# Altium PCB pay-ssm-v4-2.PcbDoc (part 1 of 4) (continued)
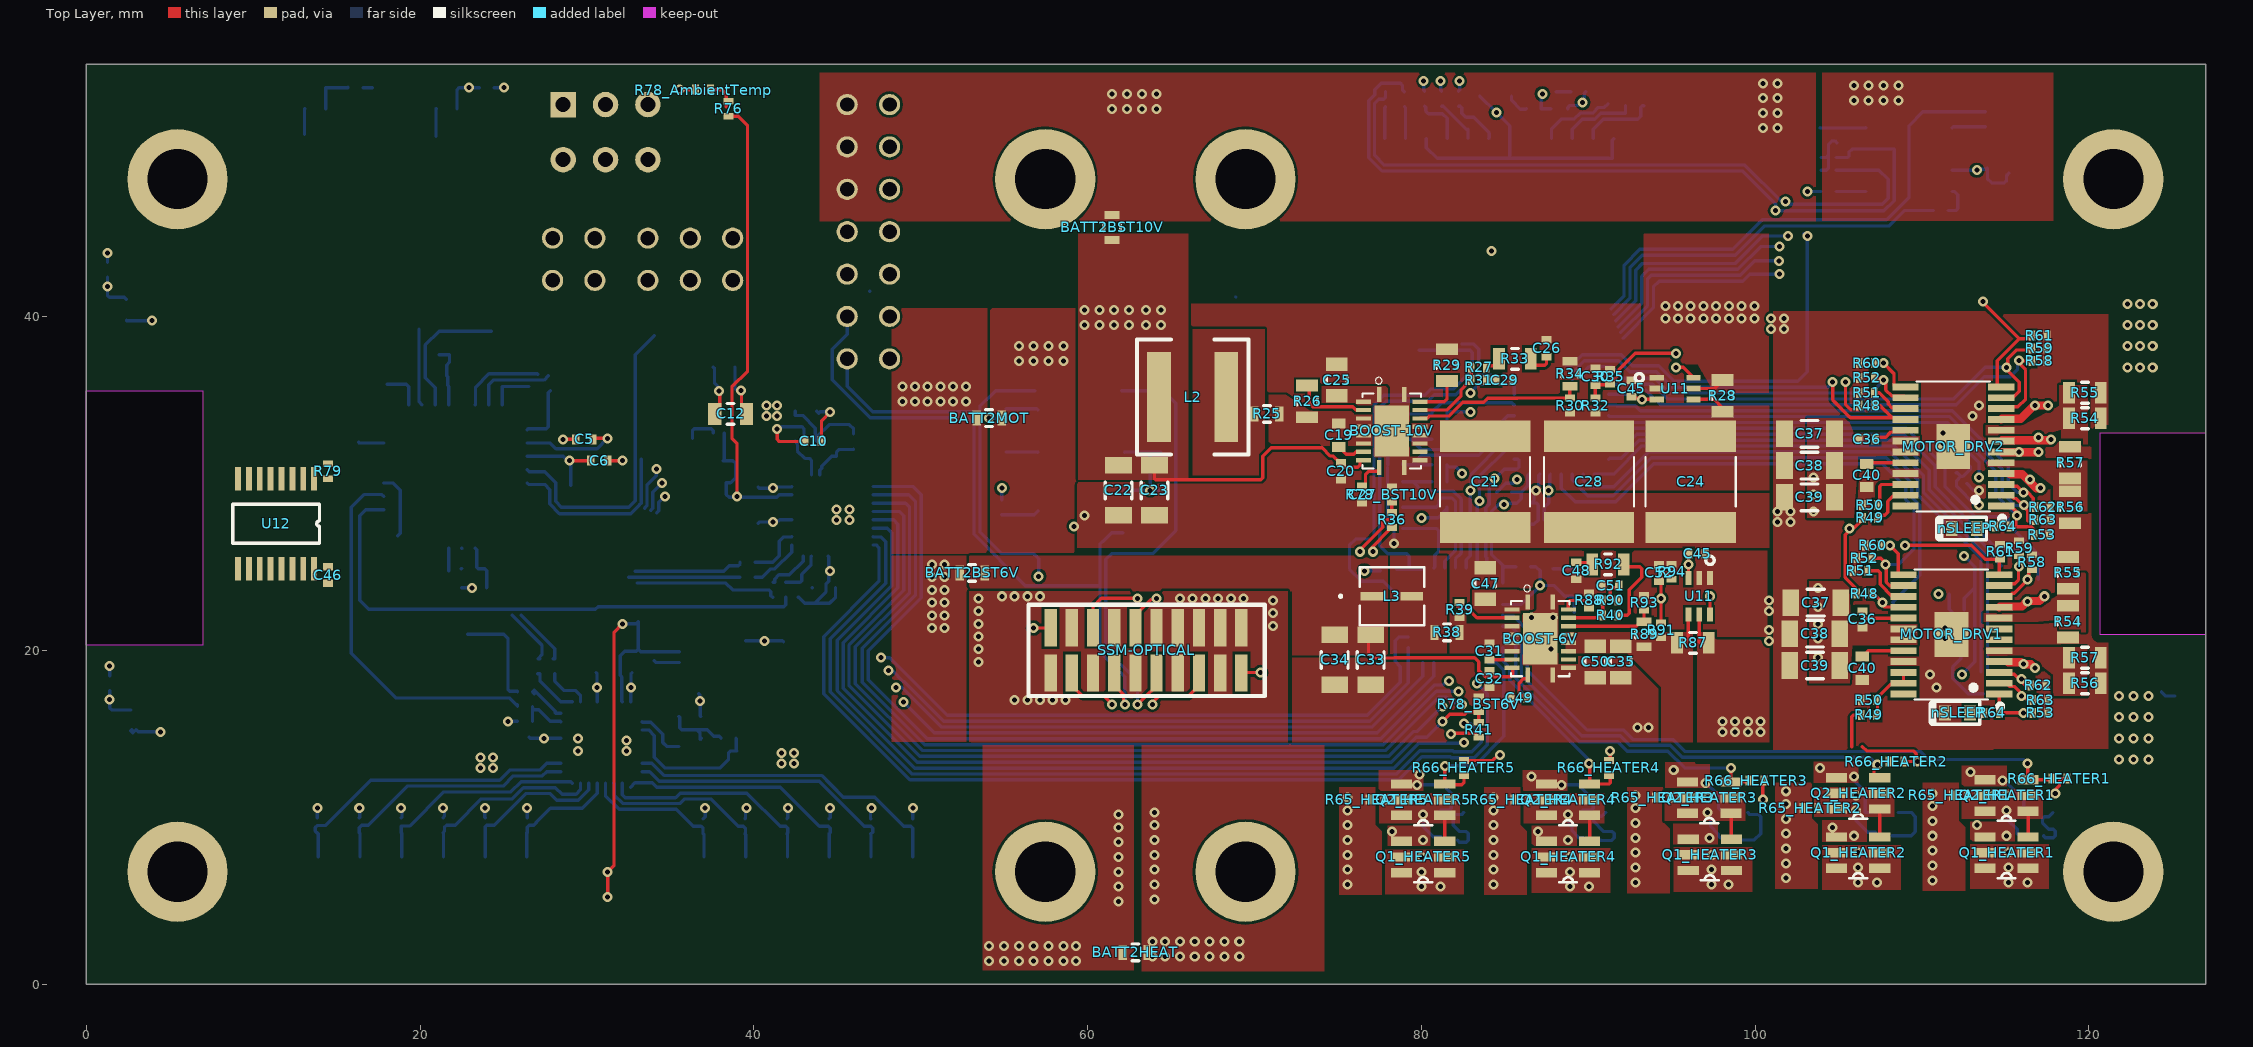
[diagram p0: Top Layer view]
## Design rules (kind name [scope] priority, off if disabled: settings)
AssemblyTestPointUsage [All] p1 off:
AssemblyTestpoint [All] p1 off: testpointundercomponent=TRUE minsize=1.016 maxsize=2.54 preferedsize=1.524 minholesize=0 maxholesize=1.016 preferedholesize=0.813 testpointgrid=0.025 usegrid=TRUE gridtolerance=0 allowsidetop=TRUE allowsidebottom=TRUE
BoardOutlineClearance [All] p1: gap=0.5 ignorepadtopadclearanceinfootprint=FALSE
Clearance Component_Clearance [IsComponent vs IsComponent] p1: gap=0.254 ignorepadtopadclearanceinfootprint=FALSE
Clearance [All] p2: gap=0.152 ignorepadtopadclearanceinfootprint=TRUE
FabricationTestPointUsage [All] p1 off: valid=0 allowmultiple=FALSE
FabricationTestpoint [All] p1 off: side=3 testpointundercomponent=FALSE minsize=1.016 maxsize=2.54 preferedsize=1.524 minholesize=0 maxholesize=1.016 preferedholesize=0.813 testpointgrid=0.025 allowsidetop=TRUE allowsidebottom=TRUE usegrid=TRUE gridtolerance=0
HoleSize [All] p1: absolutevalues=TRUE maxlimit=6.3 minlimit=0.3 maxpercent=80.000 minpercent=20.000
HoleToHoleClearance [All] p1: gap=0.2 allowstackedmicrovias=FALSE
MinimumAnnularRing [All] p1: minimumring=0.15
MinimumSolderMaskSliver [All] p1: minsoldermaskwidth=0.1
PlaneClearance [All] p1: clearance=0.381
PlaneConnect [All] p1: planeconnectstyle=Direct reliefexpansion=0.508 reliefentries=4 reliefconductorwidth=0.254 reliefairgap=0.254
PolygonConnect [All] p1: connectstyle=Direct reliefconductorwidth=0.254 reliefentries=4 polygonreliefangle="90 Angle" airgapwidth=0.254
RoutingVias [All] p1: holewidth=0.3 width=0.6 viastyle="Through Hole" minholewidth=0.2 minwidth=0.6 maxholewidth=6.3 maxwidth=10 useviatemplates=TRUE viatemplateguid#1={011D216B-D316-413C-A39D-AE21322AA2E3} viatemplatename#1=v60h30m0mx0(Tol8-8)
SilkToSilkClearance [All] p1: silktosilkclearance=0
SilkToSolderMaskClearance [IsPad] p1: minsilkscreentomaskgap=0.2 clearancetoexposedcopper=TRUE
SolderMaskExpansion [All] p1: expansion=0.051
UnConnectedPin [All] p1:
UnRoutedNet [All] p1: checkbadconnections=TRUE
Width [All] p1: maxlimit=25.4 minlimit=0.152 preferedwidth=0.2
18 further rules are at their usual default settings.

## Classes and differential pairs
component class HEATER5: D8_HEATER5 Q1_HEATER5 Q2_HEATER5 R65_HEATER5 R66_HEATER5 R96_HEATER5
component class HEATER4: D8_HEATER4 Q1_HEATER4 Q2_HEATER4 R65_HEATER4 R66_HEATER4 R96_HEATER4
component class HEATER1: D8_HEATER1 Q1_HEATER1 Q2_HEATER1 R65_HEATER1 R66_HEATER1 R96_HEATER1
component class HEATER3: D8_HEATER3 Q1_HEATER3 Q2_HEATER3 R65_HEATER3 R66_HEATER3 R96_HEATER3
component class HEATER2: D8_HEATER2 Q1_HEATER2 Q2_HEATER2 R65_HEATER2 R66_HEATER2 R96_HEATER2
component class MOTOR_DRV1: C36 C37 C38 C39 C40 MOTOR_DRV1 nSLEEP R48 R49 R50 R51 R52 R53 R54 R55 R56 R57 R58 R59 R60 R61 R62 R63 R64
component class Current_Monitor2: C45_Current_Monitor2 U11_Current_Monitor2
component class Current_Monitor1: C45 U11
component class Boost2_Temperature: R78_BST6V
component class MOTOR_DRV2: MOTOR_DRV2
component class Port_Expander2: C41_Port_Expander2
component class Port_Expander1: C41 C41_Port_Expander1 PEX1 R67 R68 R69 R70 R71 R72 R73 R74
component class micro-circuit-: C46 D2 D3 D4 D5 D6 D7 R79 R80 R81 R82 R83 R84 R85 U12
component class ADC1: C10 C11 C12 C13 C14 R19 R20 R21 R22 R23 U3 U4
channel class "Port Expander Breakout": PEX1 PEX2
channel class "Heater Control": HEATER1 HEATER2 HEATER3 HEATER4 HEATER5
channel class DRV8834: MOTOR_DRV1 MOTOR_DRV2
channel class curr-mon-INA214-Q1: Current_Monitor_Buck
channel class "ADC Breakout": ADC2 ADC13
channel class adc-circuit-ADS7952: ADC11 ADC12
channel class adc-ADS7952: ADS79521 ADS79522
net class MF2_THM[1..6]: MF2_THM1 MF2_THM2 MF2_THM3 MF2_THM4 MF2_THM5 MF2_THM6
net class MF1_THM[1..6]: MF1_THM1 MF1_THM2 MF1_THM3 MF1_THM4 MF1_THM5 MF1_THM6
component class TOP: BATT2HEAT BATT2MOT C53 C54 C55 J14 L4 R1 R2 R4 R5 R6 R8 R9 R10 R95 SSM-OPTICAL
component class THERMISTORS: THERMISTOR1-6 THERMISTORS7-12
component class MOTORS: MOTOR1 R42 R43
component class MOTOR_TEMP12: R78_MOT_DRV1
component class MOTOR_TEMP11: R78_MOT_DRV2
component class MF_THM2_17: R78_MF_THM2_17
component class MF_THM2_16: R78_MF_THM2_16
component class MF_THM2_15: R78_MF_THM2_15
component class MF_THM2_14: R78_MF_THM2_14
component class MF_THM2_13: R78_MF_THM2_13
component class MF_THM2_12: R78_MF_THM2_12
component class MF_THM1_11: R78_MF_THM1_11
component class MF_THM1_10: R78_MF_THM1_10
component class MF_THM1_9: R78_MF_THM1_9
component class MF_THM1_8: R78_MF_THM1_8
component class MF_THM1_7: R78_MF_THM1_7
component class MF_THM1_6: R78_MF_THM1_6
component class HEATER_PWR: BATT2BST6V BOOST-6V C31 C32 C33 C34 C35 C47 C48 C49 C50 C51 C52 L3 R38 R39 R40 R41 R87 R88 R89 R90 R91 R92 R93 R94
component class General_Temp_Sense: R78_AmbientTemp
component class ADS79522: ADC2
component class ADS79521: ADC1 C15 C16 C17 C18 R24
component class CAN_Transciever: C7 C8 C9 CAN R12 R13 R14 R15 R16 R17 R18
channel class thermistor-input-10k: ADC1_Temp_Sense ADC2_Temp_Sense Boost_Temp_Sense CIN6 CIN7 CIN8 CIN9 CIN10 CIN11 CIN12 CIN13 CIN14 CIN15 CIN16 CIN17 Motor_Driver_Temp_Sense1 Motor_Driver_Temp_Sense2
channel class pex-MCP23S17: Port_Expander_Motor Port_Expander_Thermal
component class MOTOR_FB: BOT_SWT1 BOT_SWT2 R44 R45 R46 R47 TOP_SWT1 TOP_SWT2
component class MCU_64M1: PROG "PROG <-> RUN" RST_SWT UART
component class ENV_SENSORS: C42 C43 C44 HUMIDITY PRESSURE R75 R76 R77 U15
component class Boost_Temp_Sense: R47_Boost_Temp_Sense R78_BST10V
component class BOOST: BATT2BST10V BOOST-10V C19 C20 C21 C22 C23 C24 C25 C26 C27 C28 C29 C30 L2 R25 R26 R27 R28 R29 R30 R31 R32 R33 R34 R35 R36
component class ATMEGA64M1: C1 C2 C3 C4 C5 C6 L1 R11 Y1

## Components (designator, comment, footprint, x,y, rotation, side; value= is the part's Value field where it differs from the comment)
ADC1 "ADS7952" QFN50P500X500X100-33 44.704,28.067 r270 bottom (schematic designator U5)
ADC2 "ADS7952" QFN50P500X500X100-33 30.861,14.478 r180 bottom (schematic designator U5)
BATT2BST6V "0603" RES0603R 53.086,24.638 r180 top value="0 26A" (schematic designator R37)
BATT2BST10V "0603" RES0603R 61.468,45.339 r90 top value="0 26A" (schematic designator R86)
BATT2HEAT "0603" RES0603R 62.865,1.905 r0 top value="0 26A" (schematic designator R7)
BATT2MOT "0603" RES0603R 54.102,33.909 r0 top value="0 26A" (schematic designator R3)
BOOST-6V "TPS61088" QFN50P450X350X100-21N 87.122,20.701 r0 top (schematic designator BT2)
BOOST-10V "TPS61088" QFN50P450X350X100-21N 78.232,33.147 r0 top (schematic designator BT1)
BOT_SWT1 "DF13A-2P-1.25H(21)" DF13A-2P-1.25H(21) 13.726,52.451 r0 bottom (schematic designator J9)
BOT_SWT2 "DF13A-2P-1.25H(21)" DF13A-2P-1.25H(21) 2.413,40.396 r90 bottom (schematic designator J10)
C1 "0805" CAP0805R 22.098,37.719 r180 bottom value=10uF
C2 "0402" CAP0402R 22.098,36.449 r180 bottom value=0.1uF
C3 "0402" CAP0402R 22.979,24.892 r0 bottom value=0.1uF
C4 "0402" CAP0402R 21.717,24.265 r90 bottom value=0.1uF
C5 "0402" CAP0402R 29.837,32.639 r0 top value=22pF
C6 "0402" CAP0402R 30.734,31.369 r180 top value=22pF
C7 "0805" CAP0805R 115.189,49.53 r270 bottom value=10uF
C8 "0402" CAP0402R 113.919,49.403 r270 bottom value=0.1uF
C9 "0402" CAP0402R 104.394,50.419 r0 bottom value=47pF
C10 "0402" CAP0402R 36.195,17.653 r0 bottom value=0.1uF
C10 "0402" CAP0402R 43.556,32.543 r0 top value=0.1uF
C11 "0402" CAP0402R 38.481,13.97 r0 bottom value=220pF
C11 "0402" CAP0402R 45.085,32.512 r270 bottom value=220pF
C12 "0805" CAP0805R 41.783,19.558 r90 bottom value=10uF
C12 "0805" CAP0805R 38.608,34.163 r0 top value=10uF
C13 "0603" CAP0603R 34.036,18.669 r90 bottom value=1uF
C13 "0603" CAP0603R 36.322,33.401 r270 bottom value=1uF
C14 "0805" CAP0805R 32.131,21.717 r0 bottom value="10uF 1-1.5 ESR"
C14 "0805" CAP0805R 39.116,31.369 r180 bottom value="10uF 1-1.5 ESR"
C15 "0603" CAP0603R 32.004,18.669 r0 bottom value=1uF
C15 "0603" CAP0603R 40.259,29.083 r90 bottom value=1uF
C16 "0603" CAP0603R 26.543,14.097 r90 bottom value=1uF
C16 "0603" CAP0603R 44.196,23.749 r0 bottom value=1uF
C17 "0603" CAP0603R 29.845,18.669 r0 bottom value=1uF
C17 "0603" CAP0603R 40.259,26.924 r90 bottom value=1uF
C18 "0805" CAP0805R 32.131,20.066 r0 bottom value=10uF
C18 "0805" CAP0805R 38.354,29.083 r90 bottom value=10uF
C19 "0603" CAP0603R 75.057,32.893 r90 top value="0.1uF 50V X7R"
C20 "0402" CAP0402R 75.184,30.734 r90 top value="0.1uF 10V X7R"
C21 "2220" CAP2220 83.82,30.099 r90 top value="22uF 25V X7R"
C22 "1206" CAP1206R 61.849,29.591 r90 top value="10uF 50V X5R"
C23 "1206" CAP1206R 64.008,29.591 r90 top value="10uF 50V X5R"
C24 "2220" CAP2220 96.139,30.099 r90 top value="22uF 25V X7R"
C25 "0805" CAP0805R 74.93,36.195 r270 top value="2.2uF 16V X7R"
C26 "0402" CAP0402R 87.503,38.1 r270 top value="820pF 50V X7R"
C27 "0402" CAP0402R 76.454,29.337 r90 top value="8.2nF 16V X7R"
C28 "2220" CAP2220 90.043,30.099 r90 top value="22uF 25V X7R"
C29 "0402" CAP0402R 84.963,36.195 r180 top value="39pF 25V C0G"
C30 "0402" CAP0402R 90.424,36.391 r270 top value="0.1uF 10V X7R"
C31 "0402" CAP0402R 84.074,19.939 r90 top value="0.1uF 16V X7R"
C32 "0402" CAP0402R 84.074,18.288 r90 top value="0.1uF 10V X7R"
C33 "1206" CAP1206R 76.962,19.431 r90 top value="33uF 25V X5R"
C34 "1206" CAP1206R 74.803,19.431 r90 top value="33uF 25V X5R"
C35 "0805" CAP0805R 91.948,19.304 r90 top value="15uF 35V X5R"
C36 "0402" CAP0402R 106.695,32.639 r180 top value="10000pF 25V"
C36 "0402" CAP0402R 106.426,21.852 r270 top value="10000pF 25V"
C37 "1206" CAP1206R 103.255,32.976 r0 top value="10uF 25V"
C37 "1206" CAP1206R 103.632,22.86 r0 top value="10uF 25V"
C38 "1206" CAP1206R 103.255,31.071 r0 top value="10uF 25V"
C38 "1206" CAP1206R 103.578,20.996 r0 top value="10uF 25V"
C39 "1206" CAP1206R 103.255,29.166 r0 top value="10uF 25V"
C39 "1206" CAP1206R 103.578,19.091 r0 top value="10uF 25V"
C40 "0603" CAP0603R 106.695,30.48 r270 top value="2.2uF 6.3V X7R"
C40 "0603" CAP0603R 106.426,18.923 r270 top value="2.2uF 6.3V X7R"
C41 "0402" CAP0402R 87.884,24.384 r270 bottom value=0.1uF
C41 "0402" CAP0402R 87.122,28.829 r0 bottom value=0.1uF
C41_Port_Expander1 "0805" CAP0805R 87.122,27.559 r0 bottom value=10uF (schematic designator C41)
C41_Port_Expander2 "0805" CAP0805R 89.154,23.241 r270 bottom value=10uF (schematic designator C41)
C42 "0402" CAP0402R 64.516,29.083 r270 bottom value="0.1uF 6.3V X7R"
C43 "0402" CAP0402R 64.389,32.385 r270 bottom value="0.22uF 6.3V X7R"
C44 "0402" CAP0402R 55.118,32.385 r90 bottom value="0.1uF 6.3V X7R"
C45 "0402" CAP0402R 96.52,25.781 r180 top value=0.1uF
C45 "0402" CAP0402R 92.583,35.687 r270 top value=0.1uF
C46 "0402" CAP0402R 14.478,24.511 r90 top value=0.1uF
C47 "0805" CAP0805R 83.82,24.003 r270 top value="2.2uF 16V X7R"
C48 "0402" CAP0402R 89.281,24.765 r90 top value="560pF 50V X7R"
C49 "0402" CAP0402R 85.852,17.145 r0 top value="8.2nF 16V X7R"
C50 "0805" CAP0805R 90.424,19.304 r90 top value="15uF 35V X5R"
C51 "0402" CAP0402R 91.313,23.876 r0 top value="27pF 50V C0G"
C52 "0402" CAP0402R 94.234,24.638 r270 top value="0.1uF 10V X7R"
C53 "0402" CAP0402R 88.265,52.451 r180 bottom value=10000pF
C54 "0603" CAP0603R 87.376,53.467 r180 bottom value=1uF
C55 "0805" CAP0805R 84.455,53.213 r0 bottom value=10uF
CAN "SN65HVD233D" SOIC127P500X600-8N 109.22,49.403 r270 bottom (schematic designator U2)
D2 "LED0603" LED0603 10.934,31.242 r180 bottom
D3 "LED0603" LED0603 10.934,29.631 r180 bottom
D4 "LED0603" LED0603 10.934,28.021 r180 bottom
D5 "LED0603" LED0603 10.934,23.19 r180 bottom
D6 "LED0603" LED0603 10.934,24.801 r180 bottom
D7 "LED0603" LED0603 10.934,26.412 r180 bottom
D8_HEATER1 "LED0603" LED0603 117.094,10.287 r180 bottom (schematic designator D8)
D8_HEATER2 "LED0603" LED0603 107.823,10.287 r180 bottom (schematic designator D8)
D8_HEATER3 "LED0603" LED0603 98.806,10.287 r180 bottom (schematic designator D8)
D8_HEATER4 "LED0603" LED0603 90.297,10.287 r180 bottom (schematic designator D8)
D8_HEATER5 "LED0603" LED0603 81.788,10.287 r180 bottom (schematic designator D8)
EPS-PAY "DF13A-15P-1.25H(21)" DF13A-15P-1.25H(21) 86.547,50.673 r0 bottom (schematic designator J1)
HEATER1 "DF13A-2P-1.25H(21)" DF13A-2P-1.25H(21) 112.722,6.983 r0 bottom (schematic designator J11)
HEATER2 "DF13A-2P-1.25H(21)" DF13A-2P-1.25H(21) 103.959,6.983 r0 bottom (schematic designator J11)
HEATER3 "DF13A-2P-1.25H(21)" DF13A-2P-1.25H(21) 95.196,6.983 r0 bottom (schematic designator J11)
HEATER4 "DF13A-2P-1.25H(21)" DF13A-2P-1.25H(21) 86.433,6.983 r0 bottom (schematic designator J11)
HEATER5 "DF13A-2P-1.25H(21)" DF13A-2P-1.25H(21) 77.67,6.983 r0 bottom (schematic designator J11)
HUMIDITY "HIH7131" SOIC127P500X600-8N 59.436,33.655 r90 bottom (schematic designator U10)
J14 "SLW-107-01-G-D" SLW-107-01-X-D 46.863,45.085 r90 bottom
L1 "0603" RES0603R 23.233,23.749 r0 bottom value=10uH
L2 "XAL6020-112MEB" XAL6020-112MEB 66.294,35.179 r0 top value="1.1uH 20% 12A"
L3 "IHLP-1212BZ" IHLP-1212BZ 78.232,23.241 r0 top
L4 "2A 0402" RES0402R 86.741,52.451 r0 bottom value="120 Ohm @ 100MHz"
MCU "ATMEGA64M1" QFP80P900X900X120-32 22.116,30.423 r270 bottom (schematic designator U1)
MOTOR1 "DF13A-4P-1.25H(51)" DF13A-4P-1.25H(51) 123.19,40.132 r270 bottom (schematic designator J6)
MOTOR2 "DF13A-4P-1.25H(51)" DF13A-4P-1.25H(51) 123.19,16.637 r270 bottom (schematic designator J5)
MOTOR_DRV1 "DRV8834" SOP65P640X120-25N 111.76,20.955 r180 top (schematic designator U7)
MOTOR_DRV2 "DRV8834" SOP65P640X120-25N 111.876,32.214 r180 top (schematic designator U7)
nSLEEP "LED0603" LED0603 112.537,27.305 r180 top (schematic designator D1)
nSLEEP "LED0603" LED0603 112.129,16.256 r180 top (schematic designator D1)
PEX1 "MCP23S17-QFN" QFN65P600X600X100-29#1 88.392,33.401 r90 bottom (schematic designator U8)
PEX2 "MCP23S17-QFN" QFN65P600X600X100-29#2 82.042,22.098 r180 bottom (schematic designator U8)
PRESSURE "MS5803-05BA" MS5803_125P640x620-8N 59.444,27.701 r0 bottom (schematic designator U9)
PROG "SLW-103-01-G-D" SLW-103-01-X-D 36.195,43.434 r0 bottom (schematic designator J3)
"PROG <-> RUN" "DPDT" "JS202011AQN - Slide Switch" 31.115,51.054 r270 bottom (schematic designator S1)
Q1_HEATER1 "N-MOS" SOT95P280X145-6N 115.062,7.874 r180 top (schematic designator Q1)
Q1_HEATER2 "N-MOS" SOT95P280X145-6N 106.172,7.874 r180 top (schematic designator Q1)
Q1_HEATER3 "N-MOS" SOT95P280X145-6N 97.282,7.747 r180 top (schematic designator Q1)
Q1_HEATER4 "N-MOS" SOT95P280X145-6N 88.788,7.62 r180 top (schematic designator Q1)
Q1_HEATER5 "N-MOS" SOT95P280X145-6N 80.106,7.62 r180 top (schematic designator Q1)
Q2_HEATER1 "N-MOS" SOT95P280X145-6N 115.062,11.303 r180 top (schematic designator Q2)
Q2_HEATER2 "N-MOS" SOT95P280X145-6N 106.172,11.43 r180 top (schematic designator Q2)
Q2_HEATER3 "N-MOS" SOT95P280X145-6N 97.251,11.176 r180 top (schematic designator Q2)
Q2_HEATER4 "N-MOS" SOT95P280X145-6N 88.788,11.049 r180 top (schematic designator Q2)
Q2_HEATER5 "N-MOS" SOT95P280X145-6N 80.106,11.049 r180 top (schematic designator Q2)
R1 "0402" RES0402R 77.851,53.028 r90 bottom value=0
R2 "0402" RES0402R 78.994,53.028 r90 bottom value=0
R4 "0402" RES0402R 80.193,53.057 r90 bottom value=100
R5 "0402" RES0402R 81.209,53.057 r90 bottom value=100
R6 "0402" RES0402R 82.225,53.057 r90 bottom value=100
R8 "0402" RES0402R 91.186,53.213 r90 bottom value=100
R9 "0402" RES0402R 92.202,53.213 r90 bottom value=100
R10 "0402" RES0402R 93.345,53.213 r90 bottom value=100
R11 "0402" RES0402R 15.875,32.385 r180 bottom value=30K
R12 "0402" RES0402R 104.394,48.768 r0 bottom value=60.4
R13 "0402" RES0402R 111.125,46.355 r180 bottom value=100
R14 "0402" RES0402R 113.792,51.816 r90 bottom value=100
R15 "0402" RES0402R 104.394,47.498 r180 bottom value=100
R16 "0402" RES0402R 104.394,49.53 r0 bottom value=60.4
R17 "0402" RES0402R 103.886,51.758 r90 bottom value=0
R18 "0402" RES0402R 104.775,51.747 r270 bottom value=0
R19 "0402" RES0402R 26.289,16.637 r0 bottom value=100
R19 "0402" RES0402R 41.91,23.622 r90 bottom value=100
R20 "0402" RES0402R 28.067,19.05 r270 bottom value=100
R20 "0402" RES0402R 39.624,25.273 r0 bottom value=100
R21 "0402" RES0402R 38.481,14.732 r0 bottom value=100
R21 "0402" RES0402R 45.974,32.512 r270 bottom value=100
R22 "0402" RES0402R 27.178,19.05 r270 bottom value=100
R22 "0402" RES0402R 39.624,24.384 r0 bottom value=100
R23 "0402" RES0402R 26.289,17.526 r0 bottom value=100
R23 "0402" RES0402R 41.148,23.622 r90 bottom value=100
R24 "0402" RES0402R 26.289,15.748 r180 bottom value=10K
R24 "0402" RES0402R 42.672,23.622 r270 bottom value=10K
R25 "0603" RES0603R 70.739,34.163 r0 top value="0 26A"
R26 "0805" RES0805R 73.152,34.925 r270 top value="215K 1%"
R27 "0402" RES0402R 83.439,36.957 r180 top value=0ohm
R28 "0805" RES0805R 98.044,35.245 r90 top value="8m 1% 1/2W"
R29 "0805" RES0805R 81.534,37.084 r270 top value="102K 1%"
R30 "0402" RES0402R 88.9,34.671 r270 top value="453K 1%"
R31 "0402" RES0402R 83.439,36.195 r180 top value=0ohm
R32 "0402" RES0402R 90.424,34.671 r270 top value="3K 1%"
R33 "0805" RES0805R 85.598,37.465 r180 top value="44.2K 1%"
R34 "0603" RES0603R 88.9,36.576 r270 top value="62K 1%"
R35 "0402" RES0402R 91.313,36.391 r270 top value="1K 1%"
R36 "0402" RES0402R 78.232,27.813 r270 top value="10K Thermistor"
R38 "0603" RES0603R 81.534,21.082 r0 top value="0 26A"
R39 "0402" RES0402R 82.296,22.421 r270 top value="69.8K 1%"
R40 "0402" RES0402R 91.313,22.098 r180 top value=0ohm
R41 "0402" RES0402R 83.439,15.24 r270 top value="10K NTC"
R42 "0402" RES0402R 112.522,21.971 r90 bottom value="10K NTC"
R43 "0402" RES0402R 112.268,31.623 r135 bottom value="10K NTC"
R44 "0402" RES0402R 24.003,53.721 r0 bottom value=10K
R45 "0402" RES0402R 1.397,18.034 r90 bottom value=10K
R46 "0402" RES0402R 16.129,53.721 r0 bottom value=10K
R47 "0402" RES0402R 1.27,42.799 r90 bottom value=10K
R48 "0402" RES0402R 106.68,34.671 r180 top value=10K
R48 "0402" RES0402R 106.544,23.405 r180 top value=10K
R49 "0402" RES0402R 106.88,27.94 r180 top value="1K 1%"
R49 "0402" RES0402R 106.807,16.129 r180 top value="1K 1%"
R50 "0402" RES0402R 106.88,28.702 r0 top value="200 1%"
R50 "0402" RES0402R 106.807,17.018 r0 top value="200 1%"
R51 "0402" RES0402R 106.68,35.433 r180 top value=10K
R51 "0402" RES0402R 106.299,24.765 r180 top value=10K
R52 "0402" RES0402R 106.68,36.322 r0 top value=10K
R52 "0402" RES0402R 106.553,25.527 r0 top value=10K
R53 "0402" RES0402R 117.163,26.924 r180 top value=10K
R53 "0402" RES0402R 117.094,16.256 r180 top value=10K
R54 "0805" RES0805R 119.761,33.909 r180 top value="0.2 1% 1/4W"
R54 "0805" RES0805R 118.745,21.717 r90 top value="0.2 1% 1/4W"
R55 "0805" RES0805R 119.761,35.433 r180 top value="0.2 1% 1/4W"
R55 "0805" RES0805R 118.745,24.638 r270 top value="0.2 1% 1/4W"
R56 "0805" RES0805R 118.872,28.575 r90 top value="0.2 1% 1/4W"
R56 "0805" RES0805R 119.761,18.034 r180 top value="0.2 1% 1/4W"
R57 "0805" RES0805R 118.872,31.242 r270 top value="0.2 1% 1/4W"
R57 "0805" RES0805R 119.761,19.558 r180 top value="0.2 1% 1/4W"
R58 "0402" RES0402R 117.036,37.338 r180 top value=10K
R58 "0402" RES0402R 116.586,25.273 r270 top value=10K
R59 "0402" RES0402R 117.036,38.1 r180 top value=10K
R59 "0402" RES0402R 115.824,26.115 r270 top value=10K
R60 "0402" RES0402R 106.68,37.211 r0 top value=10K
R60 "0402" RES0402R 107.061,26.289 r0 top value=10K
R61 "0402" RES0402R 117.036,38.862 r180 top value=10K
R61 "0402" RES0402R 114.681,25.908 r270 top value=10K
R62 "0402" RES0402R 117.221,28.575 r180 top value="50K 1%"
R62 "0402" RES0402R 116.967,17.907 r180 top value="50K 1%"
R63 "0402" RES0402R 117.221,27.813 r180 top value="50K 1%"
R63 "0402" RES0402R 117.094,17.018 r180 top value="50K 1%"
R64 "0402" RES0402R 114.823,27.432 r180 top value=330
R64 "0402" RES0402R 114.173,16.256 r180 top value=330
R65_HEATER1 "0402" RES0402R 112.268,11.303 r180 top value=330 (schematic designator R65)
R65_HEATER2 "0402" RES0402R 103.309,10.541 r180 top value=330 (schematic designator R65)
R65_HEATER3 "0402" RES0402R 94.457,11.176 r180 top value=330 (schematic designator R65)
R65_HEATER4 "0402" RES0402R 85.994,11.049 r180 top value=330 (schematic designator R65)
R65_HEATER5 "0402" RES0402R 77.312,11.049 r180 top value=330 (schematic designator R65)
R66_HEATER1 "0402" RES0402R 118.237,12.319 r0 top value=10K (schematic designator R66)
R66_HEATER2 "0402" RES0402R 108.458,13.335 r0 top value=10K (schematic designator R66)
R66_HEATER3 "0402" RES0402R 100.076,12.192 r0 top value=10K (schematic designator R66)
R66_HEATER4 "0402" RES0402R 91.232,12.954 r90 top value=10K (schematic designator R66)
R66_HEATER5 "0402" RES0402R 82.55,12.954 r90 top value=10K (schematic designator R66)
R67 "0402" RES0402R 86.106,25.019 r0 bottom value=10K
R67 "0402" RES0402R 84.963,29.464 r180 bottom value=10K
R68 "0402" RES0402R 77.978,24.765 r180 bottom value=10K
R68 "0402" RES0402R 84.201,35.941 r180 bottom value=10K
R69 "0402" RES0402R 81.095,27.305 r0 bottom value=0
R69 "0402" RES0402R 81.084,34.163 r0 bottom value=0
R70 "0402" RES0402R 81.084,28.575 r0 bottom value=0
R70 "0402" RES0402R 81.084,32.631 r0 bottom value=0
R71 "0402" RES0402R 81.084,30.099 r0 bottom value=0
R71 "0402" RES0402R 81.084,31.13 r0 bottom value=0
R72 "0402" RES0402R 78.428,27.305 r0 bottom value=0
R72 "0402" RES0402R 78.428,34.163 r0 bottom value=0
R73 "0402" RES0402R 78.417,28.575 r0 bottom value=0
R73 "0402" RES0402R 78.428,32.639 r0 bottom value=0
R74 "0402" RES0402R 78.417,30.099 r0 bottom value=0
R74 "0402" RES0402R 78.428,31.115 r0 bottom value=0
R75 "0402" RES0402R 54.864,28.575 r90 bottom value="10K 5%"
R76 "0402" RES0402R 38.481,52.451 r270 top value="10K NTC"
R77 "0402" RES0402R 55.118,34.036 r270 bottom value="10K 5%"
R78_AmbientTemp "0402" RES0402R 36.957,53.594 r0 top value="10K 0.1%" (schematic designator R78)
R78_BST6V "0402" RES0402R 83.439,16.764 r270 top value="10K 0.1%" (schematic designator R78)
R78_BST10V "0402" RES0402R 78.232,29.337 r270 top value="10K 0.1%" (schematic designator R78)
R78_MF_THM1_6 "0402" RES0402R 36.957,9.456 r270 bottom value="10K 0.1%" (schematic designator R78)
R78_MF_THM1_7 "0402" RES0402R 39.472,9.456 r270 bottom value="10K 0.1%" (schematic designator R78)
R78_MF_THM1_8 "0402" RES0402R 41.986,9.456 r270 bottom value="10K 0.1%" (schematic designator R78)
R78_MF_THM1_9 "0402" RES0402R 44.501,9.456 r270 bottom value="10K 0.1%" (schematic designator R78)
R78_MF_THM1_10 "0402" RES0402R 47.015,9.456 r270 bottom value="10K 0.1%" (schematic designator R78)
R78_MF_THM1_11 "0402" RES0402R 49.53,9.456 r270 bottom value="10K 0.1%" (schematic designator R78)
R78_MF_THM2_12 "0402" RES0402R 13.843,9.525 r270 bottom value="10K 0.1%" (schematic designator R78)
R78_MF_THM2_13 "0402" RES0402R 16.358,9.525 r270 bottom value="10K 0.1%" (schematic designator R78)
R78_MF_THM2_14 "0402" RES0402R 18.872,9.525 r270 bottom value="10K 0.1%" (schematic designator R78)
R78_MF_THM2_15 "0402" RES0402R 21.387,9.525 r270 bottom value="10K 0.1%" (schematic designator R78)
R78_MF_THM2_16 "0402" RES0402R 23.901,9.525 r270 bottom value="10K 0.1%" (schematic designator R78)
R78_MF_THM2_17 "0402" RES0402R 26.416,9.525 r270 bottom value="10K 0.1%" (schematic designator R78)
R78_MOT_DRV1 "0402" RES0402R 112.522,20.447 r90 bottom value="10K 0.1%" (schematic designator R78)
R78_MOT_DRV2 "0402" RES0402R 112.358,30.316 r135 bottom value="10K 0.1%" (schematic designator R78)
R79 "0402" RES0402R 14.478,30.734 r270 top value=10K
R80 "0402" RES0402R 13.486,31.295 r0 bottom value=330
R81 "0402" RES0402R 13.486,29.684 r0 bottom value=330
R82 "0402" RES0402R 13.486,28.073 r0 bottom value=330
R83 "0402" RES0402R 13.486,23.241 r0 bottom value=330
R84 "0402" RES0402R 13.486,24.852 r0 bottom value=330
R85 "0402" RES0402R 13.486,26.462 r0 bottom value=330
R87 "0805" RES0805R 96.266,20.447 r0 top value="8m 1% 1/2W"
R88 "0402" RES0402R 90.043,22.987 r270 top value="187K 1%"
R89 "0603" RES0603R 93.345,20.955 r270 top value="470K 1%"
R90 "0402" RES0402R 91.313,22.987 r180 top value=0ohm
R91 "0402" RES0402R 94.361,21.209 r270 top value="1K 1%"
R92 "0805" RES0805R 91.186,25.146 r0 top value="15.4K 1%"
R93 "0402" RES0402R 93.345,22.86 r270 top value="118K 1%"
R94 "0402" RES0402R 94.996,24.707 r270 top value="1K 1%"
R95 "0402" RES0402R 89.408,53.467 r180 bottom value=2
R96_HEATER1 "0402" RES0402R 116.84,8.89 r0 bottom value=330 (schematic designator R96)
R96_HEATER2 "0402" RES0402R 107.754,8.89 r0 bottom value=330 (schematic designator R96)
R96_HEATER3 "0402" RES0402R 98.679,8.636 r0 bottom value=330 (schematic designator R96)
R96_HEATER4 "0402" RES0402R 90.297,8.636 r0 bottom value=330 (schematic designator R96)
R96_HEATER5 "0402" RES0402R 81.719,8.636 r0 bottom value=330 (schematic designator R96)
RST_SWT "SW-PB" "PTS830GM140 SMTR LFS - Pushbutton" 38.608,52.705 r0 bottom (schematic designator S2)
SSM-OPTICAL "SFMC-110-02-L-D" SFMC-110-02-L-D 63.5,20 r180 top locked (schematic designator J2)
THERMISTOR1-6 "DF13A-12P-1.25H(51)" DF13A-12P-1.25H(51) 43.267,7.62 r0 bottom (schematic designator J12)
THERMISTORS7-12 "DF13A-12P-1.25H(51)" DF13A-12P-1.25H(51) 20.153,7.62 r0 bottom (schematic designator J13)
TOP_SWT1 "DF13A-2P-1.25H(21)" DF13A-2P-1.25H(21) 21.59,52.451 r0 bottom (schematic designator J7)
TOP_SWT2 "DF13A-2P-1.25H(21)" DF13A-2P-1.25H(21) 2.669,15.802 r90 bottom (schematic designator J8)
U3 "AD8613" SOP65P200X125-5N 36.812,14.239 r90 bottom
U3 "AD8613" SOP65P200X125-5N 43.78,32.521 r90 bottom
U4 "REF5025" SOP65P300X125-8N#1 39.497,21.224 r180 bottom
U4 "REF5025" SOP65P300X125-8N#2 39.527,36.97 r270 bottom
U11 "INA214CQDCKRQ1" "TI-SOT-SC70 (DCK)" 96.647,23.241 r270 top
U11 "INA214CQDCKRQ1" "TI-SOT-SC70 (DCK)" 95.207,35.687 r0 top
U12 "SN74HC365PW" SOP65P640X120-16N 13.649,30.292 r270 top
UART "SLW-102-01-G-D" SLW-102-01-X-D 29.21,43.434 r0 bottom (schematic designator J4)
Y1 "8MHz Crystal" OSCSC500X320X110-4N 30.226,31.877 r180 bottom

## Footprints (in the part's own frame and the unit in brackets; to place one, negate y for a bottom-side part, rotate by r counter-clockwise, add the part's x,y. Pads: shape width x height; smd on the part's side, far side on the other; paste and mask are expansions set on the pad)
CAP0402R [mm] "Capacitor 0402 reflow soldering"
  rect 0.45x0.6 smd mask+0: 1(-0.5,0) 2(0.5,0)
  body extent -0.5,-0.3 0.5,0.3, height 0.2
CAP0603R [mm] "capacitor 0603 reflow soldering"
  rect 0.6x0.8 smd mask+0: 1(-0.7,0) 2(0.7,0)
  body extent -0.8,-0.4 0.8,0.4, height 0.3
CAP0805R [mm] "capacitor 0805 reflow soldering"
  rect 0.8x1.3 smd mask+0: 1(-0.95,0) 2(0.95,0)
  silkscreen extent -0.2,-0.63 0.2,0.63, body extent -1,-0.63 1,0.62, height 0.78
CAP1206R [mm] "capacitor 1206 reflow soldering"
  rect 1x1.6 smd mask+0: 1(-1.5,0) 2(1.5,0)
  silkscreen extent -0.5,-0.8 0.5,0.8, body extent -1.6,-0.8 1.6,0.8, height 1
CAP2220 [mm] "CAP CER 2220"
  rect 1.88x5.41 smd: 1(-2.738,0) 2(2.738,0)
  silkscreen extent -1.48,-2.7 1.48,2.7, body extent -2.86,-2.79 2.86,2.79, height 2.8
DF13A-2P-1.25H(21) [mm] "2 pos, 1.25mm pitch DF13 connector (H125743CT-ND)"
  rect 0.7x1.8 smd: 1(-0.625,0) 2(0.625,0)
  rect 1.6x2.2 smd: ""(-2.975,3.3) ""(2.975,3.3)
  silkscreen extent -3.58,-0.48 3.58,6.02, body extent -3.58,-0.48 3.57,6.79, height 3.58
DF13A-4P-1.25H(51) [mm] "4 pos, 1.25mm pitch DF13 connector (H125779CT-ND)"
  rect 0.7x1.8 smd: 1(-0.625,-1.956) 2(0.625,-1.956) 3(1.875,-1.956) 4(3.125,-1.956)
  rect 1.6x2.2 smd: ""(-2.975,1.344) ""(5.475,1.344)
  silkscreen extent -3.61,-2.46 6.06,4.04, body extent -3.61,-2.46 6.04,4.75, height 3.58
DF13A-12P-1.25H(51) [mm]
  rect 0.7x1.8 smd: 1(-7.5,0) 2(-6.25,0) 3(-5,0) 4(-3.75,0) 5(-2.5,0) 6(-1.25,0) 7(0,0) 8(1.25,0) 9(2.5,0) 10(3.75,0) 11(5,0) 12(6.25,0)
  rect 1.6x2.2 smd: ""(-9.85,3.3) ""(8.6,3.3)
  silkscreen extent -10.61,-0.64 9.13,6.04, body extent -10.46,-0.51 9.19,6.86, height 3.71
DF13A-15P-1.25H(21) [mm] "15 pos, 1.25mm pitch DF13 connector (H125988CT-ND)"
  rect 0.7x1.8 smd: 1(-8.75,0) 2(-7.5,0) 3(-6.25,0) 4(-5,0) 5(-3.75,0) 6(-2.5,0) 7(-1.25,0) 8(0,0) 9(1.25,0) 10(2.5,0) 11(3.75,0) 12(5,0) 13(6.25,0) 14(7.5,0) 15(8.75,0)
  rect 1.6x2.2 smd: ""(-11.1,3.3) ""(11.1,3.3)
  silkscreen extent -11.86,-0.64 11.63,6.04, body extent -11.7,-0.5 11.7,6.76, height 3.58
IHLP-1212BZ [mil]
  rect 54x20 smd paste+0 mask+0: 1(-47,0) 2(47,0)
  silkscreen extent -124,-68 76,68, body extent -130,-63 71,63, height 81
"JS202011AQN - Slide Switch" [mil]
  rect 60x60 hole 35: 1(-65,100)
  round 60 hole 35: 2(-65,0) 3(-65,-100) 4(65,100) 5(65,0) 6(65,-100)
  silkscreen extent -150,-180 105,177, body extent -148,-178 128,176, height 139
LED0603 [mm] "0603 LED footprint, thick line on the cathode"
  rect 0.7x0.9 smd: 1(-0.75,0) 2(0.75,0)
  silkscreen extent -1.32,-0.67 1.52,0.67, body extent -0.8,-0.4 0.8,0.4, height 0.71
MS5803_125P640x620-8N [mm] "Footprint for the MS5803 family of pressure sensors"
  rect 2.25x0.9 smd: 1(-2.675,1.9) 2(-2.675,0.65) 4(-2.675,-1.9) 5(2.675,-1.9) 6(2.675,-0.65) 7(2.675,0.65) 8(2.675,1.9)
  rect 2.8x0.9 smd: 3(-2.4,-0.65)
  silkscreen extent -5.01,-3.33 3.73,3.3, body extent -3.17,-3.1 3.23,3.1, height 2.88
OSCSC500X320X110-4N [mm] "ABM3B-8.000MHZ-10-D-1-G-T Abracon 8MHz crystal"
  rect 1.2x1.8 smd: 1(-1.2,2) 2(-1.2,-2) 3(1.2,-2) 4(1.2,2)
  silkscreen extent -2.15,-2.67 1.65,3.15, body extent -1.6,-2.5 1.58,2.5, height 1.1
"PTS830GM140 SMTR LFS - Pushbutton" [mm] "Low profile pushbutton"
  rect 0.7x0.75 smd: 1(-1.6,0.825) 1(1.6,0.825) 2(-1.6,-0.825) 2(1.6,-0.825)
  silkscreen extent -1.92,-1.17 1.92,1.15, body extent -1.75,-1.3 1.75,1.3, height 1.4
QFN50P450X350X100-21N [mm]
  rect 0.26x0.9 smd: 1(-0.75,2.185) 10(-0.75,-2.185) 11(0.75,-2.185) 20(0.75,2.185)
  rect 0.9x0.26 smd: 2(-1.685,1.75) 3(-1.685,1.25) 4(-1.685,0.75) 5(-1.685,0.25) 6(-1.685,-0.25) 7(-1.685,-0.75) 8(-1.685,-1.25) 9(-1.685,-1.75) 12(1.685,-1.75) 13(1.685,-1.25) 14(1.685,-0.75) 15(1.685,-0.25) 16(1.685,0.25) 17(1.685,0.75) 18(1.685,1.25) 19(1.685,1.75)
  rect 2.07x3.07 smd: 21(0,0)
  silkscreen extent -1.75,-2.25 1.75,3.21, body extent -1.75,-2.25 1.75,2.25, height 1
QFN50P500X500X100-33 [mm] "QFN + Pitch P + Body With X Body Length X Height - #Pins"
  rect 0.84x0.26 smd: 1(-2.435,1.75) 2(-2.435,1.25) 3(-2.435,0.75) 4(-2.435,0.25) 5(-2.435,-0.25) 6(-2.435,-0.75) 7(-2.435,-1.25) 8(-2.435,-1.75) 17(2.435,-1.75) 18(2.435,-1.25) 19(2.435,-0.75) 20(2.435,-0.25) 21(2.435,0.25) 22(2.435,0.75) 23(2.435,1.25) 24(2.435,1.75)
  rect 0.26x0.84 smd: 9(-1.75,-2.435) 10(-1.25,-2.435) 11(-0.75,-2.435) 12(-0.25,-2.435) 13(0.25,-2.435) 14(0.75,-2.435) 15(1.25,-2.435) 16(1.75,-2.435) 25(1.75,2.435) 26(1.25,2.435) 27(0.75,2.435) 28(0.25,2.435) 29(-0.25,2.435) 30(-0.75,2.435) 31(-1.25,2.435) 32(-1.75,2.435)
  rect 3.6x3.6 smd: 33(0,0)
  silkscreen extent -3.47,-2.5 2.5,2.5, body extent -2.55,-2.55 2.55,2.55, height 0.78
QFN65P600X600X100-29#1 [mm] "QFN + Pitch P + Body With X Body Length X Height - #Pins"
  rect 1.04x0.33 smd: 1(-2.835,1.95) 2(-2.835,1.3) 3(-2.835,0.65) 4(-2.835,0) 5(-2.835,-0.65) 6(-2.835,-1.3) 7(-2.835,-1.95) 15(2.835,-1.95) 16(2.835,-1.3) 17(2.835,-0.65) 18(2.835,0) 19(2.835,0.65) 20(2.835,1.3) 21(2.835,1.95)
  rect 0.33x1.04 smd: 8(-1.95,-2.835) 9(-1.3,-2.835) 10(-0.65,-2.835) 11(0,-2.835) 12(0.65,-2.835) 13(1.3,-2.835) 14(1.95,-2.835) 22(1.95,2.835) 23(1.3,2.835) 24(0.65,2.835) 25(0,2.835) 26(-0.65,2.835) 27(-1.3,2.835) 28(-1.95,2.835)
  rect 3.7x3.7 smd: 29(0,0)
  silkscreen extent -4.24,-3 3,3, body extent -3.05,-3.05 3.05,3.05, height 1
QFN65P600X600X100-29#2 [mm] "QFN + Pitch P + Body With X Body Length X Height - #Pins"
  rect 1.04x0.33 smd: 1(-2.835,-1.95) 2(-2.835,-1.3) 3(-2.835,-0.65) 4(-2.835,0) 5(-2.835,0.65) 6(-2.835,1.3) 7(-2.835,1.95) 15(2.835,1.95) 16(2.835,1.3) 17(2.835,0.65) 18(2.835,0) 19(2.835,-0.65) 20(2.835,-1.3) 21(2.835,-1.95)
  rect 0.33x1.04 smd: 8(-1.95,2.835) 9(-1.3,2.835) 10(-0.65,2.835) 11(0,2.835) 12(0.65,2.835) 13(1.3,2.835) 14(1.95,2.835) 22(1.95,-2.835) 23(1.3,-2.835) 24(0.65,-2.835) 25(0,-2.835) 26(-0.65,-2.835) 27(-1.3,-2.835) 28(-1.95,-2.835)
  rect 3.7x3.7 smd: 29(0,0)
  silkscreen extent -4.25,-3 3,3, body extent -3.01,-3.05 3.09,3.05, height 1
QFP80P900X900X120-32 [mm] "QFN + Pitch P + Body With X Body Length X Height - #Pins"
  rect 1.5x0.55 smd: 1(-4.3,2.8) 2(-4.3,2) 3(-4.3,1.2) 4(-4.3,0.4) 5(-4.3,-0.4) 6(-4.3,-1.2) 7(-4.3,-2) 8(-4.3,-2.8) 17(4.3,-2.8) 18(4.3,-2) 19(4.3,-1.2) 20(4.3,-0.4) 21(4.3,0.4) 22(4.3,1.2) 23(4.3,2) 24(4.3,2.8)
  rect 0.55x1.5 smd: 9(-2.8,-4.3) 10(-2,-4.3) 11(-1.2,-4.3) 12(-0.4,-4.3) 13(0.4,-4.3) 14(1.2,-4.3) 15(2,-4.3) 16(2.8,-4.3) 25(2.8,4.3) 26(2,4.3) 27(1.2,4.3) 28(0.4,4.3) 29(-0.4,4.3) 30(-1.2,4.3) 31(-2,4.3) 32(-2.8,4.3)
  silkscreen extent -3.4,-3.4 3.4,3.4, body extent -4.62,-4.62 4.63,4.63, height 1.2
RES0402R [mm] "resistor 0402 reflow soldering"
  rect 0.4x0.6 smd mask+0: 1(-0.45,0) 2(0.45,0)
  body extent -0.5,-0.25 0.5,0.25, height 0.3
RES0603R [mm] "resistor 0603 reflow soldering"
  rect 0.5x0.9 smd mask+0: 1(-0.75,0) 2(0.75,0)
  silkscreen extent -0.2,-0.5 0.2,0.5, body extent -0.8,-0.4 0.8,0.4, height 0.45
RES0805R [mm] "resistor 0805 reflow soldering"
  rect 0.7x1.3 smd mask+0: 1(-0.95,0) 2(0.95,0)
  silkscreen extent -0.2,-0.63 0.2,0.63, body extent -1,-0.63 1,0.62, height 0.5
SFMC-110-02-L-D [mil] "CONN RCPT 20POS 0.05 GOLD SMD"
  rect 29x88 smd: 1(225,-53.5) 2(225,53.5) 3(175,-53.5) 4(175,53.5) 5(125,-53.5) 6(125,53.5) 7(75,-53.5) 8(75,53.5) 9(25,-53.5) 10(25,53.5) 11(-25,-53.5) 12(-25,53.5) 13(-75,-53.5) 14(-75,53.5) 15(-125,-53.5) 16(-125,53.5) 17(-175,-53.5) 18(-175,53.5) 19(-225,-53.5) 20(-225,53.5)
  silkscreen extent -280,-108 278,108, body extent -257,-82 258,83, height 180
SLW-102-01-X-D [mil] "CONN RCPT 4POS 0.1 GOLD PCB"
  round 50 hole 34: 1(50,-50) 2(50,50) 3(-50,-50) 4(-50,50)
  silkscreen extent -120,-118 120,118, body extent -100,-98 100,97, height 180
SLW-103-01-X-D [mil] "CONN RCPT 6POS 0.1 GOLD PCB"
  round 50 hole 34: 1(100,-50) 2(100,50) 3(0,-50) 4(0,50) 5(-100,-50) 6(-100,50)
  silkscreen extent -170,-118 170,118, body extent -150,-98 150,97, height 180
SLW-107-01-X-D [mil]
  round 50 hole 34: 1(300,-50) 2(300,50) 3(200,-50) 4(200,50) 5(100,-50) 6(100,50) 7(0,-50) 8(0,50) 9(-100,-50) 10(-100,50) 11(-200,-50) 12(-200,50) 13(-300,-50) 14(-300,50)
  silkscreen extent -370,-118 370,118, body extent -350,-98 350,98, height 180
SOIC127P500X600-8N [mm]
  rect 0.6x2.2 smd: 1(-1.905,-2.6) 2(-0.635,-2.6) 3(0.635,-2.6) 4(1.905,-2.6) 5(1.905,2.6) 6(0.635,2.6) 7(-0.635,2.6) 8(-1.905,2.6)
  silkscreen extent -2.4,-1.9 2.4,1.9, body extent -2.46,-2.67 2.44,2.69, height 2.03
SOP65P200X125-5N [mm] "SOP + Pitch P + Lead Span Nominal X Height - #Pins"
  rect 1x0.47 smd: 1(0,0) 2(0,-0.65) 3(0,-1.3) 4(1.8,-1.3) 5(1.8,0)
  silkscreen extent -0.42,-1.91 1.65,0.67, body extent -0.31,-1.74 2.08,1.02, height 1.7
SOP65P300X125-8N#1 [mm] "SOP + Pitch P + Lead Span Nominal X Height - #Pins"
  rect 1.35x0.45 smd: 1(0,0) 2(0,-0.65) 3(0,-1.3) 4(0,-1.95) 5(3.95,-1.95) 6(3.95,-1.3) 7(3.95,-0.65) 8(3.95,0)
  silkscreen extent 0,-2.28 2.9,0.58, body extent -0.64,-2.47 4.51,0.53, height 0.95
SOP65P300X125-8N#2 [mm] "SOP + Pitch P + Lead Span Nominal X Height - #Pins"
  rect 1.35x0.45 smd: 1(0,0) 2(0,0.65) 3(0,1.3) 4(0,1.95) 5(3.95,1.95) 6(3.95,1.3) 7(3.95,0.65) 8(3.95,0)
  silkscreen extent 0,-0.58 2.9,2.28, body extent -0.64,-0.53 4.51,2.47, height 0.95
SOP65P640X120-16N [mm] "SOP + Pitch P + Lead Span Nominal X Height - #Pins"
  rect 1.4x0.35 smd: 1(0,0) 2(0,-0.65) 3(0,-1.3) 4(0,-1.95) 5(0,-2.6) 6(0,-3.25) 7(0,-3.9) 8(0,-4.55) 9(5.4,-4.55) 10(5.4,-3.9) 11(5.4,-3.25) 12(5.4,-2.6) 13(5.4,-1.95) 14(5.4,-1.3) 15(5.4,-0.65) 16(5.4,0)
  silkscreen extent 1.53,-4.88 3.87,0.33, body extent -0.61,-4.84 5.99,0.27, height 1.2
SOP65P640X120-25N [mm] "SOP + Pitch P + Lead Span Nominal X Height - #Pins"
  rect 1.57x0.41 smd: 1(-2.87,3.575) 2(-2.87,2.925) 3(-2.87,2.275) 4(-2.87,1.625) 5(-2.87,0.975) 6(-2.87,0.325) 7(-2.87,-0.325) 8(-2.87,-0.975) 9(-2.87,-1.625) 10(-2.87,-2.275) 11(-2.87,-2.925) 12(-2.87,-3.575) 13(2.87,-3.575) 14(2.87,-2.925) 15(2.87,-2.275) 16(2.87,-1.625) 17(2.87,-0.975) 18(2.87,-0.325) 19(2.87,0.325) 20(2.87,0.975) 21(2.87,1.625) 22(2.87,2.275) 23(2.87,2.925) 24(2.87,3.575)
  rect 2.025x2.68 smd: 25(0,0)
  silkscreen extent -3.07,-3.9 2.2,4.47, body extent -3.2,-3.9 3.2,3.9, height 1.2
SOT95P280X145-6N [mil] "SOT + Pitch P + Nominal Lead Length X Height - #Pins"
  rect 50x22 smd: 1(-51,37) 2(-51,0) 3(-51,-37) 4(51,-37) 5(51,0) 6(51,37)
  silkscreen extent -21,48 21,60, body extent -59,-60 59,60, height 57
"TI-SOT-SC70 (DCK)" [mm] "IC CURR SENSE 1 CIRCUIT SC70-6"
  rect 0.85x0.35 smd: 1(-1.1,0.65) 2(-1.1,0) 3(-1.1,-0.65) 4(1.1,-0.65) 5(1.1,0) 6(1.1,0.65)
  silkscreen extent -2.4,0.4 -1.9,0.9, body extent -1.05,-1 1.05,1, height 1
XAL6020-112MEB [mil] "Fixed Inductors 1.1uH 20% 12A 13.1mOhms AEC-Q200"
  rect 56x213 smd: 1(-79.5,0) 2(79.5,0)
  silkscreen extent -132,-136 132,136, body extent -129,-133 129,133, height 83